# Allegro board MB1225_REVB_160222_1K.brd (continued)
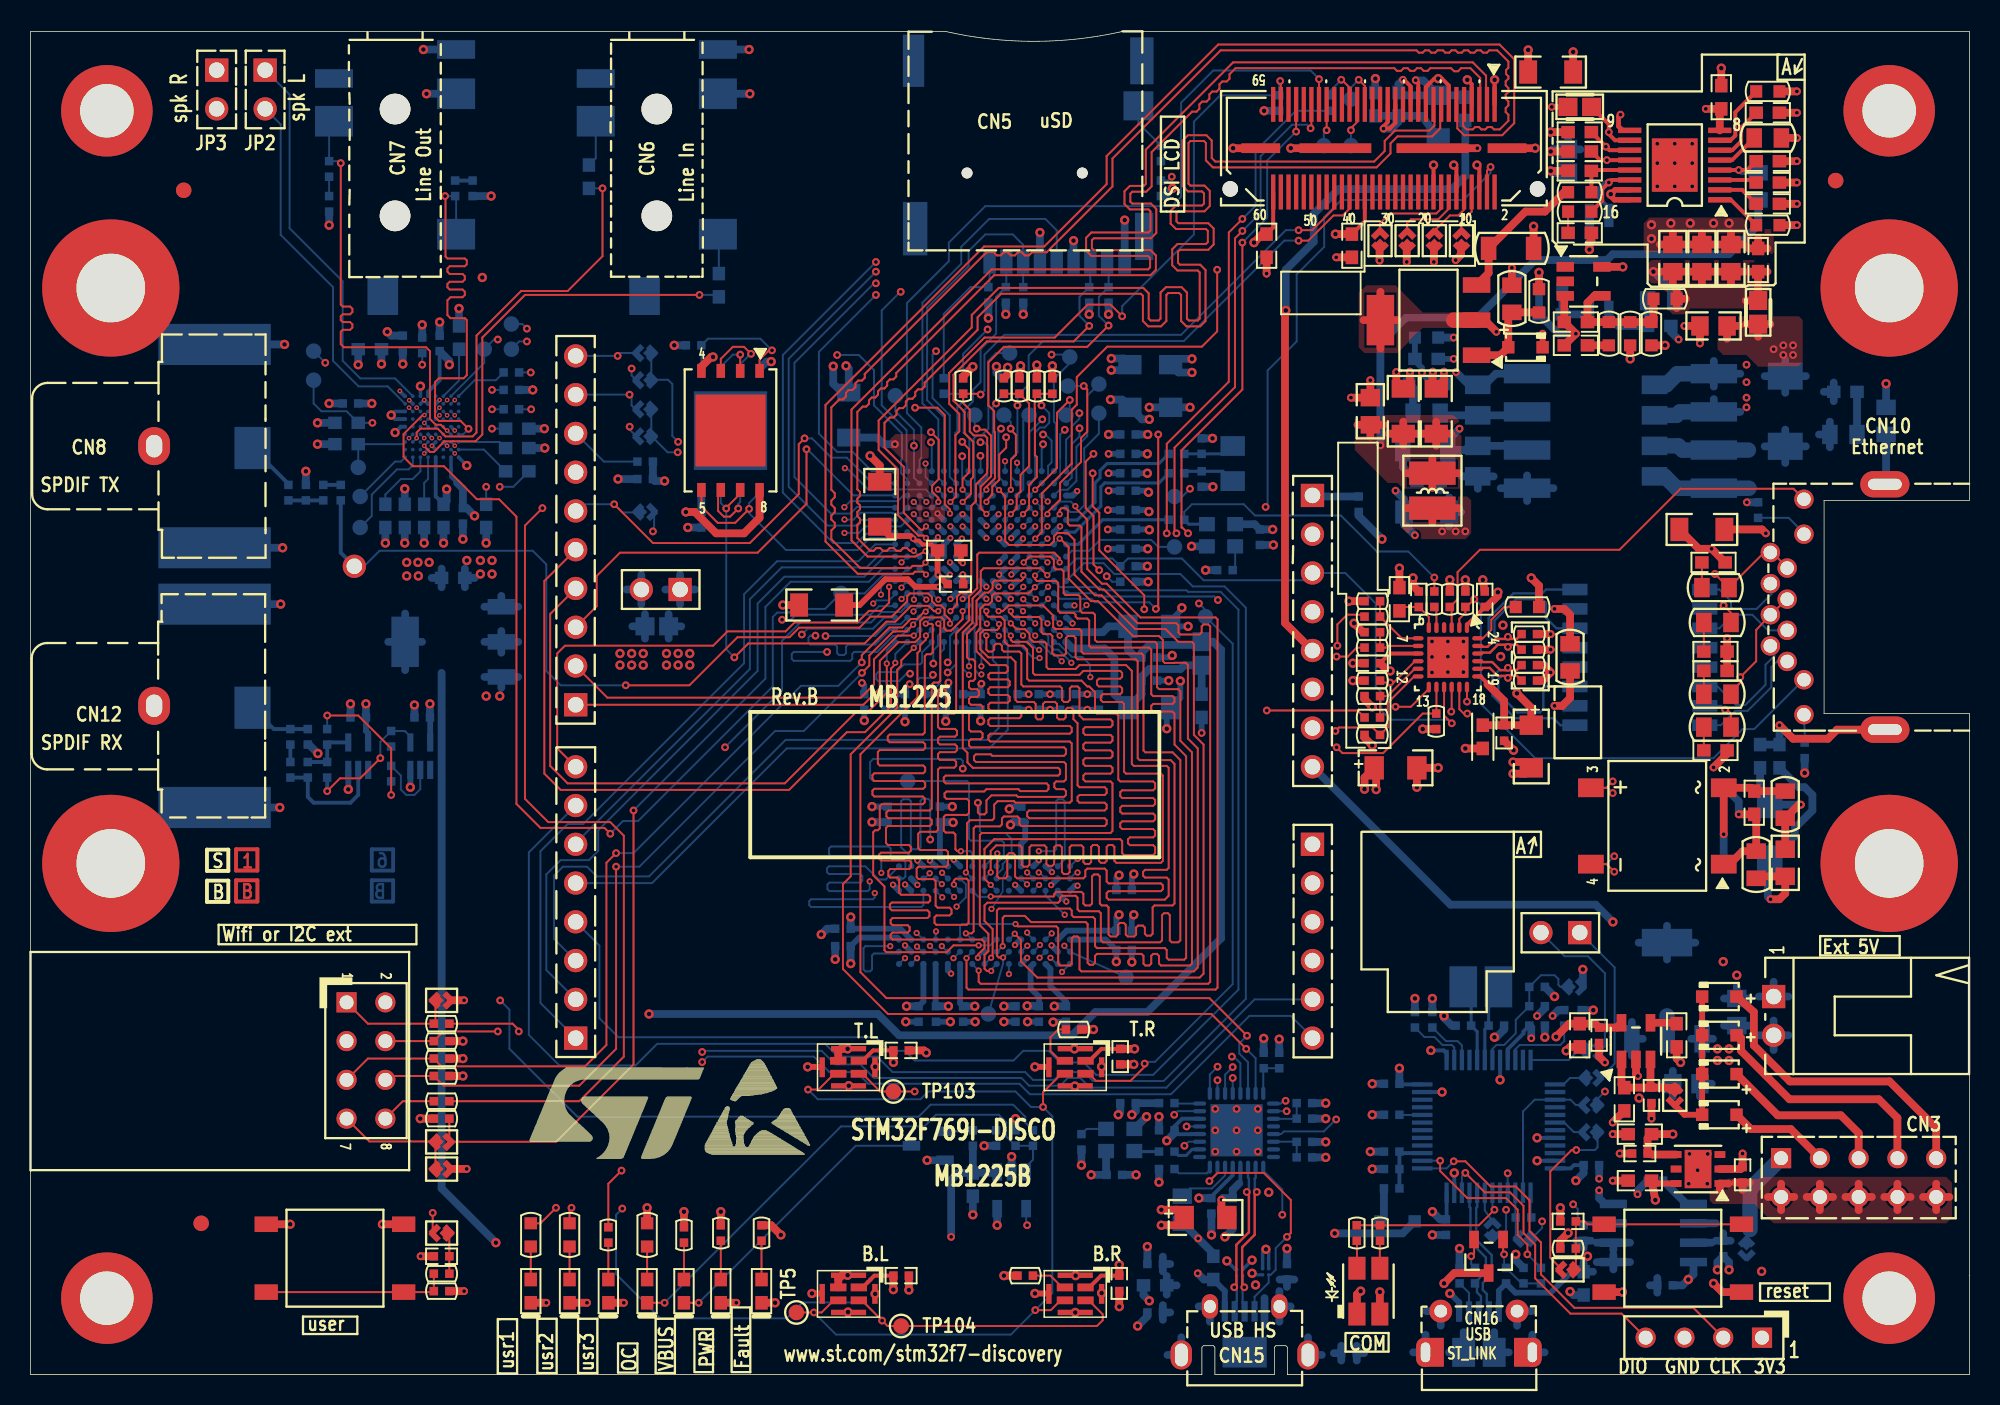
[diagram p0: board, top side]
## Routing (per net, layer and track width the routed paths; a pad name or vN(x,y) marks a point on that pad's centre or on a via; arc(x,y) is an arc through that point) (continued)
DSI.DSI_CK_N: length 82.9
  TOP w0.13: CN1.5 94.9,84.29 94.96,84.35 94.96,84.95 94.31,85.6 93.71,85.6 93.5,85.39 93.24,85.39 93.04,85.6 91.69,85.6 91.51,85.42 91.25,85.42 91.07,85.6 90.81,85.6 90.64,85.42 90.38,85.42 90.2,85.6 89.94,85.6 89.76,85.42 89.5,85.42 89.33,85.6 78.93,85.6 78.53,85.2 78.53,84.91 78.35,84.73 78.06,84.73 77.87,84.54 77.87,84.25 77.69,84.07 77.4,84.07 77.21,83.88 77.21,83.59 77.03,83.41 76.74,83.41 76.56,83.22 76.56,82.93 76.37,82.75 76.08,82.75 73.43,80.1 73.43,77.85 73.08,77.5 72.16,77.5 72.03,77.37 72.03,76.85 72.16,76.72 73.39,76.72 73.74,76.37 73.74,74.8 73.39,74.45 69.65,74.45 69.52,74.32 69.52,73.8 69.65,73.67 73.36,73.67 73.71,73.32 73.71,72.38 73.36,72.03 63.12,72.03 56.7,65.62 56.7,65.39 56.52,65.21 56.29,65.21 56.11,65.02 56.11,64.79 55.92,64.61 55.7,64.61 55.51,64.43 55.51,64.2 55.33,64.02 55.1,64.02 54.92,63.83 54.92,63.61 54.74,63.42 54.51,63.42 54.15,63.07 54.15,58 54.33,57.82 54.33,57.56 54.15,57.39 54.15,57.13 54.33,56.95 54.33,56.69 54.15,56.51 54.15,56.25 54.33,56.08 54.33,55.82 54.15,55.64 54.15,54.81 54.99,53.98 55.22,53.98 55.4,54.15 55.66,54.15 55.83,53.98 56.09,53.98 56.27,54.15 56.53,54.15 56.71,53.98 56.97,53.98 57.14,54.15 57.4,54.15 57.58,53.98 v3(57.85,53.98)
  BOTTOM w0.13: U13.H13 v3(57.85,53.98)
DSI.DSI_CK_P: length 82.9
  TOP w0.13: CN1.3 95.4,84.29 95.34,84.35 95.34,85.11 94.47,85.98 78.77,85.98 73.05,80.26 73.05,78.01 72.92,77.88 72.01,77.88 71.65,77.53 71.65,76.7 72.01,76.34 73.23,76.34 73.36,76.22 73.36,74.96 73.23,74.83 69.49,74.83 69.14,74.48 69.14,73.64 69.49,73.29 73.2,73.29 73.33,73.17 73.33,72.54 73.2,72.42 62.96,72.42 53.77,63.23 53.77,54.66 54.83,53.59 57.94,53.59 v3(58.62,53.95)
  BOTTOM w0.13: U13.H12 v3(58.62,53.95)
DSI.DSI_D0_N: length 83.5
  TOP w0.13: CN1.11 93.4,82.14 93.46,82.08 93.46,81.65 93.9,81.2 96.39,81.2 97.18,81.99 97.18,86.19 96.22,87.15 77.79,87.15 70.48,79.84 70.48,78 66.4,73.91 62.46,73.91 52.07,63.53 52.07,54.58 54.18,52.46 57.79,52.46 57.93,52.6 58.47,52.6 v3(58.65,52.42)
  BOTTOM w0.102: v3(58.65,52.42) 58.28,52.79 U13.J13
DSI.DSI_D0_P: length 83.4
  TOP w0.13: v3(58.62,53.2) 58.41,52.98 57.77,52.98 57.63,52.85 54.34,52.85 52.45,54.74 52.45,55.31 52.68,55.54 52.68,55.79 52.45,56.02 52.45,56.28 52.68,56.51 52.68,56.77 52.45,57 52.45,57.26 52.68,57.49 52.68,57.75 52.45,57.97 52.45,63.37 52.98,63.89 53.23,63.89 53.41,64.08 53.41,64.33 53.59,64.51 53.84,64.51 54.03,64.69 54.03,64.94 54.21,65.13 54.46,65.13 54.64,65.31 54.64,65.56 62.62,73.53 63.09,73.53 63.29,73.33 63.55,73.33 63.75,73.53 64.01,73.53 64.22,73.33 64.47,73.33 64.68,73.53 64.94,73.53 65.14,73.33 65.4,73.33 65.6,73.53 66.55,73.53 70.87,77.85 70.87,79.68 77.95,86.77 90.77,86.77 90.93,86.61 91.19,86.61 91.34,86.77 91.6,86.77 91.75,86.61 92.01,86.61 92.16,86.77 92.51,86.77 92.67,86.61 92.93,86.61 93.08,86.77 93.34,86.77 93.49,86.61 93.75,86.61 93.9,86.77 94.16,86.77 94.31,86.61 94.57,86.61 94.72,86.77 94.98,86.77 95.14,86.61 95.39,86.61 95.55,86.77 96.06,86.77 96.8,86.03 96.8,85.62 96.65,85.47 96.65,85.21 96.8,85.06 96.8,84.91 96.62,84.73 96.62,84.47 96.8,84.3 96.8,84.04 96.62,83.86 96.62,83.6 96.8,83.42 96.8,83.16 96.62,82.98 96.62,82.73 96.8,82.55 96.8,82.15 96.24,81.58 95.85,81.58 95.7,81.74 95.44,81.74 95.29,81.58 95.03,81.58 94.88,81.74 94.62,81.74 94.47,81.58 94.06,81.58 93.84,81.81 93.84,82.14 93.9,82.2 CN1.9
  BOTTOM w0.102: U13.J12 v3(58.62,53.2)
DSI.DSI_D1_N: length 81.8
  TOP w0.13: CN1.17 91.9,82.15 91.96,82.09 91.96,81.83 91.64,81.51 89.38,81.51 88.7,80.83 88.7,80.17 88.01,79.48 77.6,79.48 77.37,79.71 77.37,80.85 77.02,81.2 75.81,81.2 75.46,80.85 75.46,77.87 75.81,77.52 76.73,77.52 76.86,77.39 76.86,76.72 76.73,76.6 75.03,76.6 74.68,76.25 74.68,75.41 75.03,75.06 76.99,75.06 77.11,74.93 77.11,74.2 76.99,74.08 75.13,74.08 74.78,73.73 74.78,72.69 75.13,72.34 76.45,72.34 76.58,72.21 76.58,69.19 76.45,69.06 75.87,69.06 75.74,69.19 75.74,70.9 75.39,71.25 74.37,71.25 74.02,70.9 74.02,69.19 73.89,69.06 73.37,69.06 73.24,69.19 73.24,70.84 72.89,71.2 63.42,71.2 61.65,69.43 61.65,68.61 55.55,62.51 55.55,60.58 56.82,59.31 56.82,56.31 58.16,54.97 58.5,54.97 v3(58.65,54.81)
  BOTTOM w0.13: U13.F13 v3(58.65,54.81)
DSI.DSI_D1_P: length 81.8
  TOP w0.13: CN1.15 92.4,82.15 92.34,82.09 92.34,81.67 91.8,81.13 89.53,81.13 89.08,80.67 89.08,80.01 88.16,79.1 77.44,79.1 76.99,79.55 76.99,80.7 76.86,80.82 75.97,80.82 75.84,80.7 75.84,78.03 75.97,77.9 76.89,77.9 77.24,77.55 77.24,76.57 76.89,76.22 75.18,76.22 75.06,76.09 75.06,75.56 75.18,75.44 77.15,75.44 77.5,75.09 77.5,74.05 77.15,73.7 75.29,73.7 75.16,73.57 75.16,72.85 75.29,72.72 76.61,72.72 76.96,72.37 76.96,69.03 76.61,68.68 75.71,68.68 75.36,69.03 75.36,70.74 75.23,70.87 74.53,70.87 74.4,70.74 74.4,69.03 74.05,68.68 73.21,68.68 72.86,69.03 72.86,70.69 72.73,70.82 63.58,70.82 62.03,69.27 62.03,68.45 58.56,64.98 58.56,64.74 58.38,64.55 58.13,64.55 57.95,64.37 57.95,64.12 57.77,63.94 57.52,63.94 57.33,63.75 57.33,63.51 57.15,63.32 56.9,63.32 56.72,63.14 56.72,62.89 56.54,62.71 56.29,62.71 55.93,62.35 55.93,60.74 57.2,59.47 57.2,56.46 58.32,55.35 58.43,55.35 v3(58.65,55.57)
  BOTTOM w0.13: U13.F12 v3(58.65,55.57)
DSI_VDD12: length 8.1
  TOP w0.254: C25.2 59.03,54.38 58.45,54.38 58.19,54.64 57.95,54.64 v3(57.81,54.77)
  TOP w0.381: C25.2 59.41,52.43 v3(59.44,52.4) 60.05,51.79 C27.2 ; v3(57.81,54.77) 57.64,54.94 56.24,54.94 C23.2
  BOTTOM w0.381: v3(57.81,54.77) 57.85,54.77 U13.G13 ; U13.K12 v3(59.44,52.4)
E5V: length 83.2
  TOP w0.508: CN3.5 119.74,15.82 118.58,16.98 114.44,16.98 D7.1
  L4_SIG w0.508: v1(111.76,26.16) 112.29,25.63 112.29,22.35 119.74,14.9 CN3.5 ; v1(88.52,54.74) 89.03,54.74 91.31,52.45 91.31,51.56 93.19,49.68 94.64,49.68 95.38,48.95 95.38,46.05 96.37,45.06 96.37,35.71 101.35,30.73 107.06,30.73 110.74,27.05 v1(110.87,27.05)
  BOTTOM w0.508: JP1.1 115.14,24.77 ; JP1.1 114.17,25.73 ; JP1.1 113.21,24.77 ; 110.92,24.64 C139.2 ; C139.2 111.76,25.41 ; C139.2 112.6,24.64 ; U18.4 109.04,28.3 ; U18.4 107.19,29.4 ; U18.4 107.19,27.19 ; U18.4 105.33,28.3 ; v1(88.52,54.74) 87,56.26 R103.2
  BOTTOM w1.016: U18.2 107.19,23.5
FMC_A0: length 59.2
  TOP w0.127: v3(61.31,27.28) 61.31,25.35 61.43,25.22 77.62,25.22 77.75,25.35 77.75,49.48 77.62,49.61 72.69,49.61 70.48,51.82 70.18,51.82 69.22,52.78 69.22,56.01 68.44,56.79 v3(68.44,56.9)
  BOTTOM w0.127: U13.D2 67.43,57.2 68.14,57.2 v3(68.44,56.9) ; v3(61.31,27.28) 61.31,27.32 U17.G8
FMC_A1: length 57.1
  TOP w0.127: v3(67.41,56.37) 67.41,56.64 67.53,56.77 67.82,56.77 67.94,56.64 67.94,55.75 68.07,55.63 68.71,55.63 68.83,55.5 68.83,52.6 70,51.44 70.31,51.44 72.52,49.23 75.06,49.23 75.18,49.1 75.18,48.62 75.31,48.49 76.58,48.49 76.71,48.62 76.71,49.02 76.83,49.15 77.14,49.15 77.27,49.02 77.27,25.73 77.14,25.6 62.23,25.6 62.1,25.73 v3(62.1,26.47)
  BOTTOM w0.127: U17.G9 61.68,26.89 v3(62.1,26.47) ; U13.E2 v3(67.41,56.37)
FMC_A2: length 57.5
  TOP w0.127: v3(67.41,54.77) 67.44,54.77 68,54.21 68,52.15 69.47,50.67 69.93,50.67 72.21,48.39 73.91,48.39 74.17,48.13 74.17,46.75 74.3,46.62 74.88,46.62 74.89,46.63 75.68,46.63 75.81,46.51 75.81,41.67 76.45,41.02 76.45,26.67 76.2,26.42 68.83,26.42 68.71,26.54 68.71,28.57 68.58,28.7 68.33,28.7 68.2,28.57 68.2,26.92 68.07,26.8 67.44,26.8 67.31,26.92 67.31,29.24 67.18,29.36 64.67,29.36 v3(64.52,29.51)
  BOTTOM w0.127: v3(64.52,29.51) 61.01,29.51 60.88,29.39 U17.F7 ; U13.G2 v3(67.41,54.77)
FMC_A3: length 56.6
  TOP w0.127: v3(67.41,53.22) 67.41,53.5 67.06,53.85 62.14,53.85 62.01,53.72 62.01,51.52 61.47,50.98 61.47,49.4 60.63,48.56 60.63,43.43 60.5,43.31 60.1,43.31 59.97,43.43 59.97,44.81 59.84,44.93 59.56,44.93 59.44,44.81 59.44,42.43 59.56,42.3 60.55,42.3 60.68,42.18 60.68,41.92 60.55,41.79 59.56,41.79 59.44,41.67 59.44,41.41 59.56,41.29 60.55,41.29 60.68,41.16 60.68,40.91 60.55,40.78 59.56,40.78 59.44,40.65 59.44,40.4 59.56,40.27 60.5,40.27 60.63,40.14 60.63,39.89 60.5,39.76 59.56,39.76 59.44,39.64 59.44,35.69 59.31,35.56 59.14,35.56 58.82,35.56 58.82,35.56 58.27,35.56 58.14,35.43 58.14,34.49 58.27,34.37 59.97,34.37 60.1,34.24 60.1,33.4 59.97,33.27 58.17,33.27 58.04,33.15 58.04,32.59 58.17,32.46 59.16,32.46 59.28,32.33 59.28,30.72 59.41,30.59 60.2,30.59 60.33,30.46 60.33,30.21 60.2,30.08 59.33,30.08 59.21,29.95 59.21,29.59 59.33,29.46 61.32,29.46 61.44,29.59 61.44,32.36 61.32,32.49 60.6,32.49 60.48,32.36 v3(60.48,32.11)
  BOTTOM w0.127: U17.F3 v3(60.48,32.11) ; U13.H2 v3(67.41,53.22)
FMC_A4: length 56.4
  TOP w0.127: v3(66.6,52.37) 66.59,52.37 66.13,52.83 62.43,52.83 62.24,52.64 62.24,51.39 61.7,50.85 61.7,49.25 61.06,48.62 61.06,41.05 61.37,40.74 61.37,40.11 61.72,39.75 67.31,39.75 67.44,39.62 67.44,39.37 67.31,39.24 59.94,39.24 59.82,39.12 59.82,38.86 59.94,38.73 66.55,38.73 66.67,38.61 66.67,38.35 66.55,38.23 64.83,38.23 64.7,38.35 62.61,38.35 62.46,38.2 59.99,38.2 59.87,38.07 59.87,37.85 59.99,37.72 61.34,37.72 61.47,37.59 61.47,36.79 61.34,36.66 59.94,36.66 59.82,36.54 59.82,35.64 59.94,35.51 60.45,35.51 60.58,35.38 60.58,34.42 60.71,34.29 v3(60.93,34.29)
  BOTTOM w0.127: v3(66.6,52.37) 66.64,52.41 66.65,52.41 U13.J2 ; v3(60.93,34.29) 61.56,34.29 61.68,34.16 U17.G1
FMC_A5: length 57.1
  TOP w0.127: v3(61.26,32.89) 61.34,32.97 61.34,36.13 61.54,36.32 62.99,36.32 63.12,36.45 63.12,37.34 63.35,37.57 64.41,37.57 64.52,37.47 68.07,37.47 68.2,37.59 68.2,41.35 68.07,41.48 62.87,41.48 62.74,41.61 62.74,41.86 62.87,41.99 68.07,41.99 68.2,42.11 68.2,42.37 68.07,42.49 62.87,42.49 62.74,42.62 62.74,42.88 62.87,43 64.77,43 64.9,43.13 64.9,43.38 64.77,43.51 62.87,43.51 62.74,43.64 62.74,43.89 62.87,44.02 64.01,44.02 64.14,44.15 64.14,44.4 64.01,44.53 62.87,44.53 62.74,44.65 62.74,44.91 62.87,45.03 64.01,45.03 64.14,45.16 64.14,45.42 64.01,45.54 62.87,45.54 62.74,45.67 62.74,45.85 62.87,45.97 63.88,45.97 64.01,46.1 64.01,46.35 63.88,46.48 62.87,46.48 61.95,47.4 61.95,48.62 62.2,48.87 62.2,50.16 62.49,50.45 62.76,50.45 62.98,50.66 62.98,51.02 63.14,51.19 65.38,51.19 v3(65.79,51.59)
  BOTTOM w0.127: U13.K3 65.82,51.59 v3(65.79,51.59) ; U17.G2 61.29,32.89 v3(61.26,32.89)
FMC_A6: length 56.4
  TOP w0.127: v3(64.21,50.02) 64.21,49.84 64.41,49.63 66.07,49.63 66.22,49.48 66.22,48.64 66.34,48.51 66.8,48.51 66.93,48.39 66.93,47.24 67.06,47.12 67.69,47.12 67.82,47.24 67.82,48.26 67.94,48.39 68.33,48.39 68.45,48.26 68.45,46.99 68.58,46.86 72.39,46.86 72.52,46.74 72.52,40.39 72.64,40.26 74.68,40.26 74.93,40.01 74.93,30.86 74.8,30.73 73.62,30.73 73.5,30.61 73.5,28.88 73.37,28.75 73.12,28.75 72.99,28.88 72.99,29.29 72.86,29.41 72.54,29.41 72.42,29.29 72.42,28.83 72.29,28.7 71.87,28.7 71.74,28.83 71.74,29.46 71.61,29.59 71.36,29.59 71.23,29.46 71.23,28.83 71.1,28.7 70.74,28.7 70.61,28.83 70.61,30.61 70.48,30.73 70.16,30.73 70.04,30.86 70.04,32.64 69.91,32.77 69.66,32.77 69.53,32.64 69.53,30.86 69.4,30.73 69.09,30.73 68.96,30.86 68.96,31.5 68.83,31.62 67.18,31.62 67.06,31.5 67.06,31.37 67.01,31.32 v3(62.89,31.32)
  BOTTOM w0.127: U17.G3 62.09,31.29 62.87,31.29 v3(62.89,31.32) ; U13.M6 v3(64.21,50.02)
FMC_A7: length 57.6
  TOP w0.127: v3(64.21,49.22) 64.59,48.84 65.13,48.84 65.44,48.53 65.44,48.26 65.69,48.01 66.42,48.01 66.55,47.88 66.55,46.35 66.67,46.23 68.45,46.23 68.71,46.48 71.75,46.48 72.14,46.1 72.14,40.01 72.26,39.88 74.42,39.88 74.55,39.75 74.55,33.19 74.42,33.07 73,33.07 72.87,32.94 72.87,32.69 73,32.56 74.42,32.56 74.55,32.43 74.55,31.37 74.3,31.11 70.61,31.11 70.48,31.24 70.48,31.54 70.61,31.67 74.04,31.67 74.17,31.8 74.17,32.05 74.04,32.18 70.61,32.18 70.48,32.31 70.48,33.02 70.36,33.15 69.22,33.15 69.09,33.02 69.09,32.64 68.96,32.51 64.61,32.51 64.49,32.64 64.49,34.04 64.36,34.16 64.11,34.16 63.98,34.04 63.98,32.64 63.85,32.51 63.45,32.51 63.32,32.64 v3(63.32,34.14)
  BOTTOM w0.127: U17.H1 62.48,33.3 v3(63.32,34.14) ; U13.N6 v3(64.21,49.22)
FMC_A8: length 57.5
  TOP w0.127: v3(64.21,48.42) 64.21,48.13 64.33,48.01 65.25,48.01 65.66,47.6 65.66,45.97 65.79,45.85 68.71,45.85 68.96,46.1 71.37,46.1 71.5,45.97 71.5,45.72 71.37,45.59 69.98,45.59 69.85,45.47 69.85,45.21 69.98,45.09 71.37,45.09 71.5,44.96 71.5,44.7 71.37,44.58 70.23,44.58 70.1,44.45 70.1,44.2 70.23,44.07 71.5,44.07 71.63,43.94 71.63,39.5 71.75,39.37 74.04,39.37 74.17,39.24 74.17,33.66 74.04,33.53 71.12,33.53 70.99,33.66 70.99,34.57 70.87,34.7 70.61,34.7 70.48,34.57 70.48,33.66 70.36,33.53 70.1,33.53 69.98,33.66 69.98,34.57 69.85,34.7 69.6,34.7 69.47,34.57 69.47,33.58 69.34,33.45 69.09,33.45 68.96,33.58 68.96,34.54 68.83,34.67 68.19,34.67 68.06,34.54 68.06,32.92 67.94,32.79 67.68,32.79 67.56,32.92 67.56,34.54 67.43,34.67 67.17,34.67 67.05,34.54 67.05,33.45 66.92,33.32 66.67,33.32 66.54,33.45 66.54,34.54 66.41,34.67 65.56,34.67 65.43,34.54 65.43,33.4 65.3,33.27 65.05,33.27 64.92,33.4 64.92,34.54 64.8,34.67 63.25,34.67 62.89,34.31 v3(62.89,32.9)
  BOTTOM w0.127: v3(62.89,32.9) 62.49,32.5 U17.H2 ; U13.P6 v3(64.21,48.42)
FMC_A9: length 57.7
  TOP w0.127: v3(62.61,50.02) 62.61,49.78 62.74,49.65 63.56,49.65 63.8,49.4 63.8,48.01 64.06,47.75 65.02,47.75 65.28,47.5 65.28,45.59 65.41,45.47 68.83,45.47 69.22,45.09 69.34,45.09 69.72,44.7 69.72,43.43 69.85,43.31 71.12,43.31 71.25,43.18 71.25,38.99 71.37,38.86 73.53,38.86 73.66,38.73 73.66,38.41 73.53,38.28 71.5,38.28 71.37,38.15 71.37,37.9 71.5,37.77 73.53,37.77 73.66,37.64 73.66,37.39 73.53,37.26 71.5,37.26 71.37,37.14 71.37,36.88 71.5,36.76 73.53,36.76 73.66,36.63 73.66,36.37 73.53,36.25 71.5,36.25 71.37,36.12 71.37,35.87 71.5,35.74 73.53,35.74 73.66,35.61 73.66,35.32 73.53,35.19 72.01,35.19 71.88,35.07 71.88,34.81 72.01,34.69 73.53,34.69 73.66,34.56 73.66,34.16 73.53,34.04 71.63,34.04 71.5,34.16 71.5,34.95 71.37,35.08 63.12,35.08
  TOP w0.13: v3(62.89,32.08) 62.48,32.49 62.48,34.44 63.12,35.08
  BOTTOM w0.127: v3(62.89,32.08) 63.27,31.7 U17.J3 ; U13.M8 v3(62.61,50.02)
FMC_A10: length 56.6
  TOP w0.127: v3(61.26,28.91) 61.65,28.91 61.77,29.03 61.77,35.79 61.9,35.92 63.5,35.92 63.63,36.04 63.63,36.44 63.75,36.56 64.64,36.56 64.77,36.44 64.77,36.07 64.9,35.94 70.36,35.94 70.48,36.07 70.48,36.32 70.36,36.45 65.41,36.45 65.28,36.58 65.28,36.83 65.41,36.96 70.36,36.96 70.48,37.08 70.48,37.34 70.36,37.47 68.71,37.47 68.58,37.59 68.58,37.85 68.71,37.97 70.36,37.97 70.48,38.1 70.48,38.35 70.36,38.48 68.71,38.48 68.58,38.61 68.58,42.67 68.31,42.94 68.31,43.56 68.18,43.69 67.93,43.69 67.8,43.56 67.8,43.05 67.67,42.93 67.36,42.93 67.23,43.05 67.23,43.94 67.11,44.07 66.45,44.07 66.32,43.94 66.32,43.05 66.19,42.93 65.96,42.93 65.84,43.05 65.84,43.94 65.71,44.07 64.64,44.07 64.52,44.2 64.52,46.69 64.21,46.99 62.74,46.99 62.2,47.52 62.2,48.54 62.45,48.79 63.31,48.79 63.44,48.91 v3(63.44,49.17)
  BOTTOM w0.102: v3(63.44,49.17) 63.44,49.19 U13.N7
  BOTTOM w0.127: U17.G7 61.67,28.5 v3(61.26,28.91)
FMC_A11: length 57.3
  TOP w0.127: v3(63.41,50.02) 63.68,50.02 64.06,50.39 66.32,50.39 66.98,49.73 66.98,48.98 67.11,48.85 68.71,48.85 68.83,48.72 68.83,47.37 68.96,47.24 72.77,47.24 72.9,47.12 72.9,40.89 73.03,40.77 74.8,40.77 75.31,40.26 75.31,28.45 75.18,28.32 74.75,28.32 74.62,28.45 74.62,30.1 74.5,30.23 74.24,30.23 74.11,30.1 74.11,28.45 73.99,28.32 70.23,28.32 70.1,28.45 70.1,30.23 69.98,30.35 68.71,30.35 68.58,30.48 68.58,31.24 68.45,31.37 67.56,31.37 67.44,31.24 67.44,31.04 67.31,30.91 62.66,30.91 62.48,30.73 62.48,29.72 63.02,29.18 63.02,27.41 v3(62.92,27.3)
  BOTTOM w0.127: U13.M7 v3(63.41,50.02) ; U17.H9 62.51,26.9 v3(62.92,27.3)
FMC_A12: length 56.5
  L4_SIG w0.102: v3(57.84,50) 57.73,50.1 57.73,50.27 57.86,50.39 58.19,50.39 58.32,50.52 58.32,51.05 58.19,51.17 56.17,51.17 55.85,51.49 55.42,51.49 55.3,51.61 55.3,52.63 55.17,52.76 54.91,52.76 54.79,52.63 54.79,50.06 54.91,49.94 56.24,49.94 56.36,49.81 56.36,49.6 56.24,49.48 54.91,49.48 54.79,49.35 54.79,49.15 54.91,49.02 56.21,49.02 56.34,48.9 56.34,47.07 56.21,46.94 55.83,46.94 55.7,46.81 55.7,46.3 55.83,46.18 56.59,46.18 56.72,46.05 56.72,45.03 57.33,44.42 58.19,44.42 58.88,43.74 58.88,43.18 62.74,39.32 62.74,38.86 62.87,38.73 63.13,38.73 63.25,38.86 63.25,39.29 63.35,39.4 63.56,39.4 63.66,39.29 63.66,38.84 63.76,38.73 64.54,38.73 64.74,38.53 64.74,37.95 64.36,37.57 63.65,37.57 63.53,37.44 63.53,35.66 63.65,35.53 64.44,35.53 64.57,35.41 64.57,32.66 64.11,32.21 64.11,31.88 64.59,31.39 64.59,30.02 64.47,29.9 64.14,29.9 63.93,29.69 63.93,29.29 63.8,29.16 63.47,29.16 63.35,29.29 63.35,30.84 63.22,30.96 62.36,30.96 62.23,30.84 62.23,29.97 62.1,29.84 61.9,29.84 61.77,29.97 61.77,31.31 61.66,31.42 61.5,31.42 61.39,31.31 61.39,29.43 61.27,29.31 61.1,29.31 60.99,29.43 60.99,30.49 61.01,30.51 61.01,31.22 60.88,31.34 60.54,31.34 v3(60.49,31.29)
  BOTTOM w0.127: U17.E3 v3(60.49,31.29) ; v3(57.84,50) U13.M13
FMC_D0: length 60.9
  L4_SIG w0.102: v3(59.46,50.77) 59.41,50.77 59.05,50.42 58.56,50.42 58.28,50.13 58.28,49.84 58.28,49.83 58.28,49.05 58.49,48.84 58.85,48.84 59.44,48.26 60.71,48.26 61.37,47.6 63.37,47.6 63.78,47.19 66.01,44.96 66.01,44.2 66.32,43.89 66.32,43.38 66.8,42.91 66.94,42.91 67.25,43.22 67.4,43.22 67.54,43.08 67.54,42.93 67.23,42.62 67.23,42.47 67.56,42.14 73.91,42.14 76.12,39.93 76.12,23.95 76,23.83 68.12,23.83 68,23.95 68,26.85 67.87,26.98 67.38,26.98 67.26,27.1 67.26,27.27 67.38,27.39 67.87,27.39 68,27.51 68,27.97 67.87,28.09 v3(67.72,28.09)
  BOTTOM w0.127: U13.L12 59.45,50.77 v3(59.46,50.77) ; v3(67.72,28.09) 67.72,28.07 U17.R8 TP27.1
FMC_D1: length 57.5
  L4_SIG w0.102: v3(57.86,50.77) 57.58,50.77 57.45,50.65 57.45,48.91 57.58,48.78 57.99,48.78 58.21,48.56 58.21,48.36 58.59,47.98 60.55,47.98 61.14,47.4 63.14,47.4 64.95,45.59 64.95,44.35 65.18,44.12 65.58,44.12 65.96,43.74 65.96,43.31 67.46,41.81 73.76,41.81 75.82,39.75 75.82,24.36 75.69,24.23 68.43,24.23 68.3,24.36 68.3,28.32 67.97,28.65 67.97,29.56 67.86,29.67 67.64,29.67 67.51,29.54 67.51,29.03 67.39,28.9 v3(66.89,28.9)
  BOTTOM w0.127: U13.K13 57.86,51.63 v3(57.86,50.77) ; v3(66.89,28.9) U17.N7
FMC_D2: length 61.1
  L4_SIG w0.102: v3(67.56,26.38) 63.86,25.15 56.31,25.15 46.61,34.85 46.61,54.18 52.25,59.82 53.62,59.82 54.86,59.59 55.24,59.56 55.37,59.56 55.65,59.57 v3(58.62,59.69)
  BOTTOM w0.127: v3(67.56,26.38) U17.R9 ; U13.B12 58.62,58.8 v3(58.62,59.69)
FMC_D3: length 59.5
  L4_SIG w0.102: v3(53.34,59.39) 52.32,59.39 46.92,53.98 46.92,35.05 56.44,25.53 63.86,25.53 65.29,26.67 65.44,26.66 65.75,26.27 65.89,26.25 66.05,26.38 66.06,26.52 65.76,26.91 65.77,27.05 v3(66.09,27.31)
  BOTTOM w0.127: v3(66.09,27.31) U17.N8 ; v3(53.34,59.39) 53.47,59.39 54.86,57.99 58.63,57.99 U13.C12
FMC_D4: length 56.9
  L4_SIG w0.102: v3(62.28,46.41) 62.41,46.41 63.73,45.09 63.73,42.93 64.44,42.21 65.25,42.21 66.93,40.54 73.23,40.54 74.57,39.19 74.57,25.6 74.45,25.48 69.72,25.48 69.6,25.6 69.6,28.83 69.23,29.2 69.23,34.04 69.1,34.16 68.33,34.16 68.2,34.04 68.2,33.43 67.94,33.17 67.94,31.47 68.07,31.34 68.28,31.34 68.4,31.22 68.4,30.76 68.28,30.63 67.36,30.63 67.23,30.51 67.23,29.39 67.11,29.26 66.62,29.26 66.5,29.13 66.5,28.63 66.62,28.5 67.16,28.5 67.28,28.37 67.28,27.81 67.16,27.69 66.93,27.69 66.8,27.56 v3(66.8,27.3)
  BOTTOM w0.127: U13.R8 62.28,47.94 v3(62.28,46.41) ; U17.P9 67.21,26.9 v3(66.8,27.3)
FMC_D5: length 56.4
  L4_SIG w0.102: v3(62.28,45.87) 62.51,45.87 63.42,44.96 63.42,42.8 64.31,41.91 65.13,41.91 66.8,40.23 73.1,40.23 74.27,39.07 74.27,25.96 74.14,25.83 70.03,25.83 69.9,25.96 69.9,26.16 70.03,26.29 70.18,26.29 70.31,26.42 70.31,26.64 70.18,26.77 70.03,26.77 69.9,26.9 69.9,29.01 69.55,29.36 69.55,34.32 69.42,34.44 68.07,34.44 67.94,34.32 67.94,33.55 67.72,33.32 67.72,31.7 66.95,30.94 66.95,29.64 66.83,29.51 66.34,29.51 66.22,29.39 66.22,28.25 v3(66.12,28.15)
  BOTTOM w0.127: U13.N9 61.83,49.19 61.83,47.31 61.87,47.27 61.87,46.13 62.13,45.87 v3(62.28,45.87) ; v3(66.12,28.15) 66.12,28.13 U17.M8
FMC_D6: length 56.7
  L4_SIG w0.102: v3(61.47,45.85) 61.54,45.77 61.54,44.93 61.95,44.53 62.69,44.53 62.81,44.4 62.81,42.55 64.09,41.27 64.85,41.27 66.55,39.57 72.8,39.57 73.66,38.71 73.66,26.66 73.54,26.54 73.37,26.54 73.25,26.66 73.25,27.58 73.13,27.71 72.82,27.71 72.69,27.58 72.69,26.67 72.57,26.54 71.75,26.54 71.63,26.67 71.63,27.51 70.99,28.14 70.99,28.83 70.18,29.64 70.18,35 70.05,35.13 67.49,35.13 67.36,35 67.36,33.68 67.26,33.58 67.26,31.95 66.88,31.57 66.6,31.57 66.37,31.34 66.37,30.12 66.24,30 65.81,30 65.68,29.87 65.68,28.78 65.56,28.65 65.41,28.65 65.28,28.78 v3(65.28,28.96)
  BOTTOM w0.127: U13.P9 61.06,48.43 61.06,46.25 v3(61.47,45.85) ; U17.M7 65.28,28.9 v3(65.28,28.96)
FMC_D7: length 56.5
  L4_SIG w0.102: v3(65.29,28.09) 65.48,28.09 65.94,28.55 65.94,29.62 66.07,29.74 66.55,29.74 66.67,29.87 66.67,31.04 67.49,31.85 67.49,33.45 67.67,33.63 67.67,34.67 67.79,34.8 69.75,34.8 69.88,34.67 69.88,29.49 70.21,29.16 70.21,28.78 70.31,28.68 70.52,28.68 70.64,28.56 70.64,28.39 70.52,28.27 70.31,28.27 70.21,28.17 70.21,27.97 70.31,27.86 70.8,27.86 70.92,27.75 70.92,27.58 70.8,27.46 70.31,27.46 70.21,27.36 70.21,27.15 70.31,27.05 70.51,27.05 70.64,26.92 70.64,26.34 70.76,26.21 73.84,26.21 73.96,26.34 73.96,38.91 72.95,39.93 66.65,39.93 64.97,41.61 64.19,41.61 63.12,42.67 63.12,44.7 62.99,44.83 62.08,44.83 61.85,45.06 61.85,46.28 61.72,46.41 v3(61.47,46.41)
  BOTTOM w0.127: U13.R9 61.47,47.96 v3(61.47,46.41) ; U17.L8 65.26,28.08 65.28,28.08 v3(65.29,28.09)
FMC_D8: length 56.5
  L4_SIG w0.102: v2(60.07,46.66) 60.07,46.86 59.94,46.99 59.34,46.99 59.31,47.02 58.95,47.02 58.62,46.69 57.15,46.69 57.02,46.56 57.02,45.16 57.4,44.78 57.89,44.78 58.01,44.91 58.01,45.11 58.14,45.24 58.37,45.24 58.5,45.11 58.5,44.58 59.23,43.84 59.23,43.28 59.36,43.15 59.54,43.15 59.66,43.28 59.66,43.79 59.79,43.92 60.05,43.92 60.17,43.79 60.17,43.33 60.48,43.03 60.48,42.04 62.81,39.7 63.88,39.7 64.01,39.57 64.01,39.19 64.14,39.07 64.77,39.07 65.11,38.72 65.11,38.13 65.24,38 67.79,38 67.92,37.87 67.92,37.67 67.79,37.54 65.84,37.54 65.71,37.41 65.71,37.24 65.84,37.11 71.81,37.11 71.93,36.98 71.93,36.8 71.81,36.68 65.96,36.68 65.84,36.55 65.84,35.41 65.71,35.28 65.48,35.28 65.35,35.41 65.35,37.59 65.23,37.72 65,37.72 64.87,37.59 64.87,29.44 65,29.31 65.2,29.31 65.33,29.44 65.33,32.05 v3(65.27,32.12)
  BOTTOM w0.127: v2(60.07,46.66) 60.23,46.82 60.23,48.39 U13.P10 ; U17.L2 v3(65.27,32.12)
FMC_D9: length 56.5
  L4_SIG w0.102: v3(66.06,32.08) 65.74,32.08 65.61,31.95 65.61,30.38 65.74,30.25 65.94,30.25 66.07,30.38 66.07,31.45 66.45,31.83 66.45,33.53 66.57,33.66 66.93,33.66 67.06,33.78 67.06,35.31 67.18,35.43 70.28,35.43 70.48,35.23 70.48,29.77 71.36,28.89 71.36,28.26 71.48,28.14 71.65,28.14 71.77,28.26 71.77,28.83 71.87,28.93 72.16,28.93 72.29,28.8 72.29,28.14 72.42,28.02 73.23,28.02 73.36,28.14 73.36,38.51 72.59,39.27 66.32,39.27 64.62,40.97 63.96,40.97 62.61,42.32 62.03,42.32 61.7,42.65 61.7,43.51 61.82,43.64 62.36,43.64 62.48,43.76 62.48,44.07 62.36,44.2 61.82,44.2 61.24,44.78 61.24,45.31 61.11,45.44 60.65,45.44 60.53,45.57 60.53,45.72 60.66,45.85 60.93,45.85 61.06,45.97 61.06,46.33 60.94,46.46 60.55,46.46 60.43,46.33 60.43,46.13 60.3,46 v2(60.07,46)
  BOTTOM w0.127: U13.R10 60.63,46.56 v2(60.07,46) ; U17.M3 v3(66.06,32.08)
FMC_D10: length 57.1
  L4_SIG w0.102: v2(57.61,45.92) 57.45,45.92 57.33,46.05 57.33,46.25 57.45,46.38 58.58,46.38 58.7,46.26 58.7,46.09 58.58,45.97 58.17,45.97 58.04,45.85 58.04,45.67 58.17,45.54 58.67,45.54 58.8,45.42 58.8,44.7 59.23,44.27 60.45,44.27 60.78,43.94 60.78,42.16 61.75,41.2 61.93,41.2 62.07,41.34 62.24,41.34 62.37,41.21 62.37,41.04 62.21,40.88 62.21,40.74 62.35,40.59 62.5,40.59 62.68,40.78 62.83,40.78 62.99,40.62 62.99,40.47 62.81,40.3 62.81,40.13 62.93,40.01 63.1,40.01 63.28,40.19 63.42,40.19 63.6,40.01 64.14,40.01 64.31,39.83 64.31,39.5 64.44,39.37 64.92,39.37 65.46,38.84 65.46,38.46 65.58,38.33 72.11,38.33 72.24,38.2 72.24,38 72.11,37.87 68.35,37.87 68.22,37.74 68.22,37.54 68.35,37.41 72.26,37.41 72.39,37.29 72.39,33.96 72.26,33.83 72.06,33.83 71.93,33.96 71.93,36.25 71.81,36.37 66.27,36.37 66.14,36.25 66.14,35.1 66.01,34.98 65.3,34.98 65.18,34.85 65.18,32.99 v3(65.28,32.89)
  BOTTOM w0.127: U13.R12 59.03,47.96 58.39,47.32 58.39,46.66 58.27,46.53 57.23,46.53 56.72,46.02 55.52,46.02 55.4,45.9 55.4,45.57 55.52,45.44 56.9,45.44 57.38,45.92 v2(57.61,45.92) ; v3(65.28,32.89) 65.29,32.89 U17.M2
FMC_D11: length 56.6
  L4_SIG w0.102: v2(59.13,46.58) 59.44,46.58 59.56,46.46 59.56,45.01 59.69,44.88 60.71,44.88 61.39,44.2 61.39,42.52 61.93,41.99 62.48,41.99 63.86,40.61 64.54,40.61 66.19,38.96 72.44,38.96 73.05,38.35 73.05,28.47 72.93,28.35 72.75,28.35 72.63,28.47 72.63,29.13 72.5,29.26 71.45,29.26 70.79,29.92 70.79,35.66 70.71,35.74 66.88,35.74 66.75,35.61 66.75,34.19 66.62,34.06 66.17,34.06 66.04,34.19 v3(66.04,34.29)
  BOTTOM w0.127: U17.P1 67.74,33.76 67.74,37.57 67.61,37.69 67.31,37.69 67.18,37.57 67.18,34.42 67.06,34.29 v3(66.04,34.29) ; v2(59.13,46.58) 59.13,47.45 59.44,47.75 59.44,48.4 59.53,48.5 U13.P11
FMC_D12: length 56.5
  L4_SIG w0.102: v2(59.11,45.85) 59.11,44.91 59.44,44.58 60.58,44.58 61.09,44.07 61.09,42.4 61.8,41.68 62.36,41.68 63.73,40.31 64.42,40.31 66.09,38.63 72.26,38.63 72.75,38.15 72.75,29.69 72.62,29.57 71.91,29.57 71.78,29.69 71.78,30.76 71.68,30.86 71.2,30.86 71.09,30.96 71.09,31.17 71.2,31.27 72.32,31.27 72.44,31.39 72.44,31.56 72.32,31.67 71.2,31.67 71.09,31.78 71.09,31.98 71.2,32.08 71.68,32.08 71.78,32.18 71.78,33.45 71.65,33.58 71.2,33.58 71.09,33.68 71.09,33.88 71.2,33.99 71.45,33.99 71.55,34.09 71.55,34.29 71.45,34.39 71.2,34.39 71.09,34.49 71.09,34.7 71.2,34.8 71.45,34.8 71.55,34.9 71.55,35.1 71.45,35.2 71.2,35.2 71.09,35.31 71.09,35.51 71.2,35.61 71.45,35.61 71.55,35.71 71.55,35.94 71.42,36.07 66.57,36.07 66.45,35.94 66.45,34.8 66.32,34.67 65.76,34.67 65.63,34.54 65.63,32.55 65.75,32.44 65.92,32.44 66.04,32.55 v3(66.04,32.89)
  BOTTOM w0.127: U13.R11 59.83,47.54 59.59,47.29 59.59,45.31 59.39,45.11 58.24,45.11 58.12,45.24 58.12,45.52 58.24,45.64 58.98,45.64 59.11,45.77 v2(59.11,45.85) ; v3(66.04,32.89) 66.09,32.89 U17.N2
